# Altium PCB Monitait_V2.PcbDoc (part 2 of 2)
Units mm, origin at the board's own origin, x right, y up, seen from the top; angles counter-clockwise.
Board outline 155 x 115 mm, 2 copper layers (Top Layer, Bottom Layer); 104 components, 93 nets, 350 pads, 300 vias.
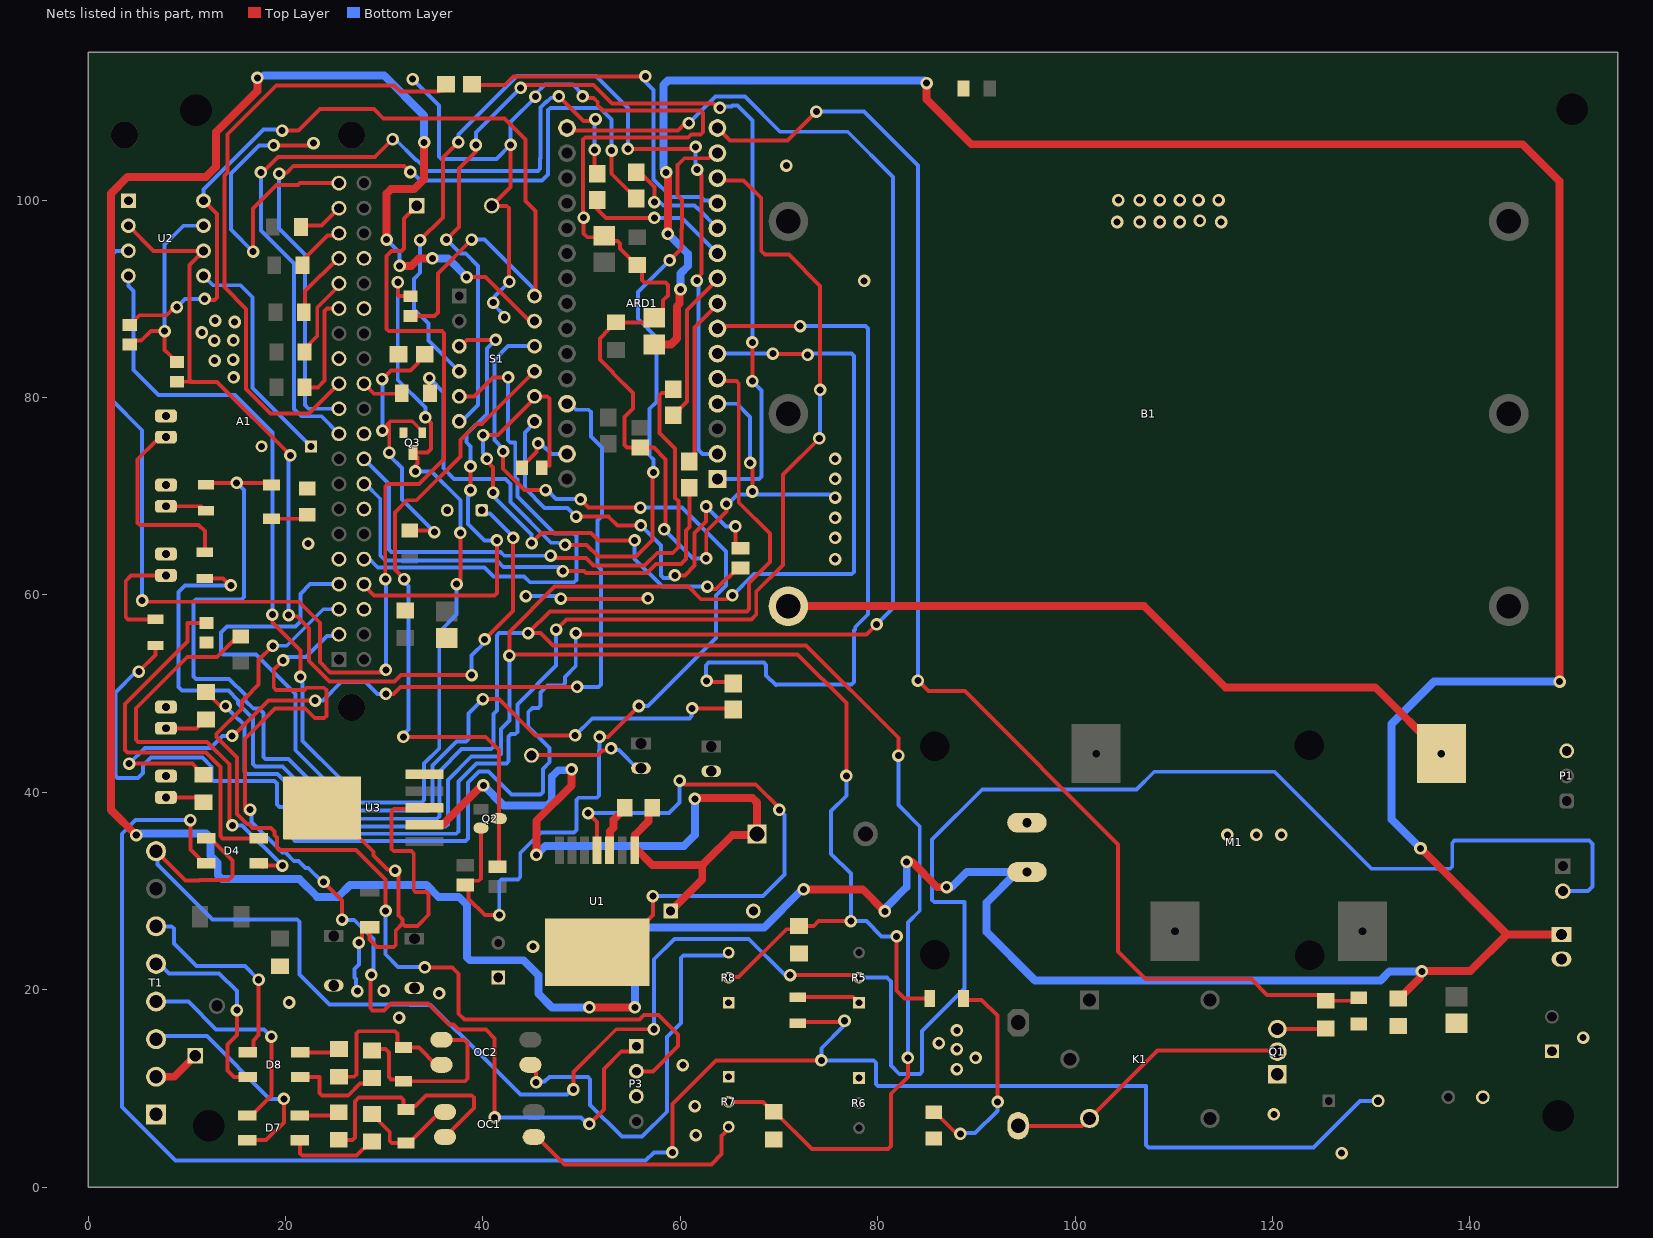
[diagram p2: the nets of this part, all layers, seen from the top]

## Via types
v1: diameter 1.27, hole 0.711, Top Layer to Bottom Layer, 300 vias

## Nets (pads, with @x,y where several pads share a name; then routed paths per layer and width w, separated by ;. In a path a pad name is that pad's centre, name@x,y a point inside that pad or via, vN(x,y) a via of type N, cw(c..) or ccw(c..) an arc to the next point about the centre after c; other vN are vias at no path point) (continued)
Adc2: D4.4 P2.2 R5.2 T1.8 | length 241.1
  Top Layer w0.4: T1.8@6.873,34.036 9.86,31.049 11.238,31.049 11.318,31.128 14.235,31.128 14.607,31.501 14.607,33.095 13.149,34.552 13.13,34.552 12.357,35.326 D4.4@11.945,35.326 ; v1(49.17,9.881) 49.17,11.655 53.503,15.988 v1(57.308,15.988) ; v1(71.12,21.463) 77.471,21.463 77.572,21.362 77.952,21.362 R5.2@78.105,21.209
  Bottom Layer w0.4: T1.8@6.873,34.036 7.006,33.903 7.006,32.689 12.601,27.094 21.178,27.094 21.412,26.86 21.412,21.514 24.434,18.492 32.585,18.492 32.613,18.464 34.695,18.464 40.298,12.862 43.783,9.377 48.501,9.377 49.005,9.881 v1(49.17,9.881) ; v1(57.308,15.988) 57.308,23.038 59.416,25.146 66.929,25.146 70.612,21.463 v1(71.12,21.463) ; R5.2@78.105,21.209 80.93,21.209 81.329,20.81 81.329,12.304 82.185,11.448 84.268,11.448 84.502,11.682 84.502,15.831 88.808,20.136 88.808,28.87 85.735,28.87 85.5,29.104 85.5,35.2 90.594,40.294 106.234,40.294 108.022,42.082 120.216,42.082 130.049,32.249 137.986,32.249 138.221,32.484 138.221,34.882 138.455,35.116 152.103,35.116 152.449,34.771 152.449,30.45 151.978,29.98 P2.2@149.425,29.98
AR_5V: ARD1.27 R12.1 | length 91.4
  Top Layer w0.4: v1(4.138,42.895) 10.575,42.895 10.984,42.486 10.984,42.386 11.584,41.786 R12.1@11.684,41.786 ; v1(14.587,45.716) 14.679,45.716 18.263,49.299 v1(22.982,49.299) ; v1(30.17,49.964) 30.914,49.964 31.623,50.673 v1(49.53,50.673)
  Bottom Layer w0.4: v1(4.138,42.895) 5.745,44.502 12.371,44.502 13.585,45.716 v1(14.587,45.716) ; v1(22.982,49.299) 23.777,49.299 25.635,51.158 28.105,51.158 29.3,49.964 v1(30.17,49.964) ; ARD1.27@48.514,79.375 48.837,79.375 49.448,78.764 50.693,78.764 50.927,78.53 50.927,76.073 52.043,74.957 52.043,68.002 51.594,67.552 51.594,62.937 51.943,62.587 51.943,50.907 51.709,50.673 v1(49.53,50.673)
D2: ARD1.5 C8.2 D9.C R7.2 R15.1 | length 247.4
  Top Layer w0.4: R15.1@11.938,71.25 11.941,71.247 12.042,71.348 v1(15.041,71.348) 18.345,71.348 D9.C@18.563,71.13 ; ARD1.5@64.008,81.661 65.684,81.661 65.919,81.427 65.919,69.369 69.074,66.215 69.074,63.328 66.975,61.23 66.975,58.563 66.741,58.328 46.771,58.328 v1(44.577,56.134) 45.847,56.134 47.117,54.864 72.752,54.864 82.088,45.528 v1(82.088,43.721) ; R7.2@64.897,8.636 68.356,8.636 69.369,7.623 C8.2@69.469,7.623 69.569,7.623 73.355,3.837 81.053,3.837 81.353,4.137 81.353,9.454 83.058,11.159 v1(83.058,13.081)
  Bottom Layer w0.4: v1(15.041,71.348) 15.776,70.613 15.776,59.787 15.542,59.553 10.907,59.553 10.673,59.319 10.673,51.713 10.907,51.479 14.282,51.479 15.92,49.841 15.92,49.573 15.943,49.549 15.943,49.269 16.745,48.468 17.293,48.468 17.738,48.023 17.738,43.593 17.972,43.359 20.295,43.359 23.73,39.923 23.73,37.554 23.964,37.32 35.359,37.32 35.593,37.554 35.593,42.12 37.837,44.365 40.82,44.365 41.054,44.599 41.054,47.948 41.398,48.292 41.398,55.9 41.633,56.134 v1(44.577,56.134) ; ARD1.5@63.754,81.915 ARD1.5@64.008,81.661 ; v1(82.088,43.721) 82.088,38.693 84.259,36.523 84.259,27.998 83.058,26.797 v1(83.058,13.081)
D3: ARD1.6 C9.2 D10.C R8.2 R11.2 | length 243.5
  Top Layer w0.4: R11.2@11.898,61.579 R11.2@11.811,61.666 13.639,61.666 14.342,60.963 v1(14.455,60.963) ; R8.2@64.897,21.209 64.954,21.266 65.895,21.266 70.752,26.124 71.679,26.124 C9.2@72.018,26.463 73.516,26.463 73.993,26.94 v1(77.272,26.94) ; v1(65.278,59.944) 65.043,59.944 64.662,59.563 62.103,59.563 60.833,60.833 47.244,60.833 42.672,56.261 v1(42.672,53.848) 42.799,53.975 71.882,53.975 76.823,49.034 v1(76.823,41.657) ; v1(69.379,84.459) 69.445,84.393 72.833,84.393 v1(72.898,84.328) ; v1@82.061,25.4 v1(81.915,25.4) 81.915,19.895 82.705,19.105 D10.C@85.274,19.105
  Bottom Layer w0.4: v1(14.455,60.963) 9.796,60.963 9.139,60.305 9.139,50.683 9.517,50.305 14.195,50.305 15.185,49.315 15.185,48.995 16.704,47.475 16.704,42.856 16.939,42.621 19.664,42.621 22.559,39.726 22.559,36.745 22.793,36.511 36.2,36.511 36.434,36.745 36.434,41.263 38.81,43.639 41.595,43.639 41.83,43.873 41.83,46.397 42.709,47.276 42.709,50.636 42.672,50.673 v1(42.672,53.848) ; ARD1.6@63.754,84.455 63.756,84.457 69.378,84.457 v1(69.379,84.459) ; v1(65.278,59.944) 67.437,62.103 77.363,62.103 77.597,62.337 77.597,84.221 77.363,84.455 73.152,84.455 73.025,84.328 v1(72.898,84.328) ; v1(76.823,41.657) 76.823,39.647 75.28,38.104 75.28,33.764 77.272,31.772 v1(77.272,26.94) 78.851,26.94 80.391,25.4 v1(81.915,25.4)
D4_AR: ARD1.7 R36.2 | length 73.1
  Top Layer w0.4: v1(62.67,51.295) 62.803,51.162 65.23,51.162 R36.2@65.363,51.03 ; ARD1.7@63.754,86.995 64.008,87.249 v1(72.136,87.249)
  Bottom Layer w0.4: v1(62.67,51.295) 62.601,51.364 62.601,52.866 62.873,53.138 68.461,53.138 68.695,52.903 68.695,51.851 69.675,50.871 69.675,50.879 69.723,50.927 77.363,50.927 77.597,51.161 77.597,56.388 77.724,56.515 77.724,56.769 78.994,58.039 78.994,87.015 78.76,87.249 v1(72.136,87.249)
D4_RASp: A1.7 R36.1 | length 92.6
  Top Layer w0.4: v1(39.981,49.449) 41.614,49.449 45.298,45.764 v1(49.341,45.764) ; v1(61.198,48.504) 65.237,48.504 R36.1@65.363,48.377
  Bottom Layer w0.4: A1.7@25.4,61.087 22.479,61.087 21.488,60.096 21.488,57.301 20.997,56.809 14.062,56.809 13.433,56.181 13.433,54.193 13.668,53.959 16.997,53.959 20.993,49.963 20.993,44.26 24.119,41.134 24.119,41.088 24.621,40.586 24.621,38.395 24.855,38.161 34.438,38.161 34.867,38.59 34.867,42.715 37.309,45.157 38.303,45.157 38.537,45.391 38.537,48.005 v1(39.981,49.449) ; v1(49.341,45.764) 51.075,47.498 60.909,47.498 61.144,47.732 61.144,48.449 v1(61.198,48.504)
D5_AR: ARD1.8 R37.2 | length 17.4
  Top Layer w0.4: R37.2@60.906,73.51 61.157,73.51 61.435,73.788 61.435,87.089 63.754,89.408 ARD1.8@63.754,89.535
D5_RASp: A1.16 R37.1 | length 47.7
  Top Layer w0.4: v1(48.092,62.42) 50.229,62.42 50.419,62.23 56.642,62.23 57.531,63.119 60.071,63.119 60.579,63.627 60.579,66.548 60.906,66.875 R37.1@60.906,70.858
  Bottom Layer w0.4: A1.16@27.94,71.247 28.087,71.247 29.591,69.743 29.591,64.008 30.131,63.468 41.402,63.468 42.055,62.815 47.698,62.815 v1(48.092,62.42)
D6_AR: ARD1.9 R39.2 | length 15.9
  Top Layer w0.4: R39.2@59.264,78.197 59.615,78.197 59.893,78.475 59.893,78.826 60.668,79.6 60.668,88.878 63.754,91.964 ARD1.9@63.754,92.075
D6_RASp: A1.18 R39.1 | length 58.8
  Top Layer w0.4: v1(46.851,63.972) 47.018,63.805 47.46,63.805 47.521,63.745 50.428,63.745 51.181,62.992 56.388,62.992 57.658,64.262 59.23,64.262 59.797,64.829 59.797,69.498 59.464,69.83 59.464,74.848 57.891,76.422 57.891,80.236 58.125,80.471 58.535,80.471 58.913,80.849 R39.1@59.264,80.849
  Bottom Layer w0.4: A1.18@27.94,73.787 30.48,71.247 30.48,64.6 30.714,64.365 41.763,64.365 42.156,63.972 v1(46.851,63.972)
D7_AR: ARD1.10 R40.2 | length 15
  Top Layer w0.4: R40.2@51.569,100.021 51.569,99.089 52.446,98.211 v1(57.366,98.211)
  Bottom Layer w0.4: v1(57.366,98.211) 60.158,98.211 ARD1.10@63.754,94.615
D7_RASp: A1.19 R40.1 | length 81.1
  Top Layer w0.4: v1(17.484,102.819) 17.673,102.819 19.222,104.368 29.035,104.368 v1(30.844,106.176) ; v1(47.685,110.524) 50.177,108.031 51.18,108.031 51.36,108.211 v1(51.401,108.211) ; v1(51.314,105.101) 51.314,102.928 R40.1@51.569,102.673
  Bottom Layer w0.4: v1(17.484,102.819) 17.484,96.943 20.862,93.565 20.862,78.833 21.59,78.105 23.622,78.105 A1.19@25.4,76.327 ; v1(30.844,106.176) 31.111,106.176 33.226,104.061 33.288,104.061 34.387,102.962 45.564,102.962 45.799,103.196 45.799,104.247 45.847,104.295 45.847,109.39 46.4,109.943 46.446,109.943 46.883,110.379 47.541,110.379 v1(47.685,110.524) ; v1(51.314,105.101) 51.314,108.124 v1(51.401,108.211)
D8_AR: ARD1.11 R41.2 | length 11.5
  Top Layer w0.4: R41.2@55.544,102.826 55.895,102.826 57.366,101.355 v1(57.366,99.794)
  Bottom Layer w0.4: v1(57.366,99.794) 57.945,99.794 58.297,99.441 61.448,99.441 61.702,99.187 61.722,99.187 ARD1.11@63.754,97.155
D8_RASp: A1.21 R41.1 | length 79.4
  Top Layer w0.4: v1(19.343,102.689) 19.482,102.828 20.151,102.828 20.772,103.449 31.982,103.449 32.573,102.858 v1(32.651,102.858) ; v1(53.041,105.035) 53.041,102.677 54.915,100.803 54.915,100.452 55.193,100.174 R41.1@55.544,100.174
  Bottom Layer w0.4: v1(19.343,102.689) 19.343,97.116 21.971,94.488 21.971,79.228 22.332,78.867 A1.21@25.4,78.867 ; v1(32.651,102.858) 32.812,102.858 33.689,101.981 45.974,101.981 46.609,102.616 46.609,109.125 46.843,109.359 51.858,109.359 53.041,108.177 v1(53.041,105.035)
D9_AR: ARD1.12 R42.2 | length 36.2
  Top Layer w0.4: R42.2@38.898,111.695 42.226,111.695 43.08,112.549 v1(56.462,112.549)
  Bottom Layer w0.4: v1(56.462,112.549) 56.462,111.982 57.277,111.166 57.277,102.108 58.929,100.456 59.055,100.33 62.103,100.33 62.47,99.963 63.486,99.963 ARD1.12@63.754,99.695
D9_RASp: A1.23 R42.1 | length 63.5
  Top Layer w0.4: A1.23@25.4,81.407 22.383,78.39 18.476,78.39 15.995,80.871 15.995,88.992 13.8,91.187 13.8,102.51 14.097,102.806 14.097,106.68 19.05,111.633 30.988,111.633 31.623,110.998 35.506,110.998 35.617,111.109 35.968,111.109 36.246,111.387 R42.1@36.246,111.738
D10: ARD1.13 R14.2 | length 138
  Top Layer w0.4: R14.2@11.938,50.168 13.374,48.732 v1(13.911,48.732) ; v1(47.407,56.489) 48.449,57.531 67.223,57.531 67.691,57.999 67.691,60.325 70.419,63.053 70.419,72.209 v1(74.075,75.866) ; ARD1.13@63.754,102.235 64.008,101.981 66.421,101.981 68.199,100.203 68.199,94.869 68.58,94.488 70.993,94.488 74.168,91.313 v1(74.168,80.772)
  Bottom Layer w0.4: v1(13.911,48.732) 13.911,48.681 14.459,48.133 15.202,47.39 15.265,47.39 15.841,46.814 15.841,42.094 16.075,41.86 19.188,41.86 21.552,39.496 21.552,36.003 21.787,35.769 24.284,35.769 24.314,35.798 37.289,35.798 37.523,36.033 37.523,41.081 39.355,42.913 42.371,42.913 42.605,43.147 42.605,45.658 42.839,45.892 43.25,45.892 43.484,46.127 43.484,48.914 47.407,52.837 v1(47.407,56.489) ; v1(74.075,75.866) 74.168,75.959 v1(74.168,80.772)
D11: ARD1.14 R34.1 | length 84
  Top Layer w0.4: v1(34.562,81.963) 34.562,81.031 34.879,80.714 R34.1@34.618,80.452 ; v1(48.325,65.071) 50.499,65.071 51.689,63.881 55.499,63.881 57.187,65.569 57.187,72.326 v1(57.273,72.412) ; v1(58.92,93.896) 60.109,95.086 60.109,97.065 60.148,97.104 60.148,100.04 59.734,100.454 59.734,103.549 60.436,104.251 62.852,104.251 63.375,104.775 ARD1.14@63.754,104.775
  Bottom Layer w0.4: v1(34.562,81.963) 36,80.525 36,72.839 37.084,71.755 42.291,71.755 42.799,71.247 42.799,69.977 42.786,69.964 42.786,69.415 46.914,65.287 47.656,65.287 47.705,65.238 48.158,65.238 v1(48.325,65.071) ; v1(57.273,72.412) 57.273,73.735 56.852,74.157 56.852,78.823 57.587,79.558 57.587,86.102 55.702,87.986 55.702,90.679 v1(58.92,93.896)
D12: ARD1.16 R13.2 | length 209.4
  Top Layer w0.4: v1(5.119,52.238) 6.812,53.931 R13.2@6.812,54.874 ; ARD1.16@48.514,107.315 48.759,107.07 59.751,107.07 60.5,107.818 v1(60.874,107.818) ; v1(49.403,56.134) 49.53,56.007 78.867,56.007 v1(79.883,57.023)
  Bottom Layer w0.4: v1(5.119,52.238) 4.867,52.238 2.745,50.116 2.745,41.7 2.979,41.466 5.056,41.466 5.541,41.951 5.541,42.716 6.358,43.533 11.563,43.533 12.507,42.589 12.507,41.359 12.741,41.125 18.893,41.125 19.127,40.89 19.127,38.758 19.361,38.524 19.952,38.524 20.727,37.749 20.727,35.294 20.962,35.059 23.617,35.059 23.625,35.067 38.233,35.067 38.467,35.302 38.467,40.988 39.584,42.104 40.572,42.104 42.897,39.779 45.835,39.779 46.069,40.013 46.069,42.372 46.741,43.043 46.741,44.502 45.189,46.053 45.189,46.076 44.588,46.678 44.588,48.137 45.004,48.554 45.603,48.554 45.838,48.788 45.838,50.105 46.555,50.823 48.081,50.823 48.315,51.057 48.315,51.702 49.403,52.79 v1(49.403,56.134) ; v1(60.874,107.818) 63.543,110.488 66.55,110.488 70.104,106.934 76.962,106.934 81.534,102.362 81.534,58.674 v1(79.883,57.023)
D13: ARD1.15 R19.1 R44.2 | length 141.1
  Top Layer w0.4: ARD1.15@63.754,107.315 65.024,106.045 70.866,106.045 v1(73.787,108.966) ; v1(84.074,51.308) 85.13,50.252 88.839,50.252 104.363,34.728 104.363,23.872 107.157,21.078 117.857,21.078 119.459,19.476 124.81,19.476 R19.1@125.41,18.876 128.453,18.876 R44.2@128.757,19.18
  Bottom Layer w0.4: v1(73.787,108.966) 78.613,108.966 84.074,103.505 v1(84.074,51.308)
GND: A1.6 A1.9 A1.14 A1.20 A1.25 A1.30 A1.34 A1.39 ARD1.4 ARD1.29 B1.B1- C1.1 C2.N C3.N C4.1 C6.N C7.N C8.1 C9.1 C10.1 C11.1 C12.N C13.1 C14.1 C15.1 C16.1 C17.1 C18.1 C19.2 C20.2 C21.2 C22.1 count_a_ok.2 count_b_ng.2 D3.1 D13.2 link.2 LS1.2 M1.B- M1.P- P1.3 P3.3 pad.13 power.2 Q1.1 Q3.2 R6.1 R7.1 R8.1 R9.1 R16.1 R18.1 R20.2 R25.2 R29.1 R43.1 R44.1 T1.1 U1.4 U1.8 U2.1 U3.3 U3.5 U3.6 warning.2 | length 412.9
  Top Layer w0.4: v1(16.714,94.777) 16.714,99.162 19.08,101.528 21.24,101.528 21.439,101.727 A1.39@25.4,101.727 ; v1(18.779,105.563) 22.612,105.563 v1(22.827,105.778) ; U3.6@23.707,38.419 24.457,38.419 28.902,33.974 28.902,33.616 30.346,32.171 30.993,32.171 v1(31.096,32.069) 31.096,31.834 31.461,31.468 31.461,27.517 31.863,27.116 31.863,26.689 ; v1(27.424,24.762) 27.486,24.762 27.72,24.997 27.72,25.91 28.145,26.335 D13.2@28.52,26.335 28.52,25.066 29.278,24.308 30.926,24.308 31.16,24.542 31.16,25.987 31.863,26.689 ; U3.3@34.057,38.419 33.94,38.302 30.96,38.302 30.726,38.067 30.726,34.262 30.96,34.028 32.748,34.028 32.982,33.794 32.982,30.074 33.143,29.913 34.26,29.913 34.494,29.679 34.494,27.588 33.362,26.455 32.097,26.455 31.863,26.689 ; v1(42.667,91.735) 42.667,91.883 42.625,91.925 42.625,99.199 42.39,99.434 40.901,99.434 LS1.2@40.894,99.441 42.8,101.347 v1(42.8,105.617) ; R29.1@43.958,72.898 43.958,73.023 45.418,74.483 45.418,75.19 v1(45.584,75.357) ; pad.13@44.911,43.738 44.934,43.761 51.643,43.761 52.12,44.238 52.783,44.238 v1(52.995,44.45) ; v1(47.887,59.636) 47.949,59.574 56.625,59.574 v1(56.711,59.66) ; v1(50.102,110.528) 50.269,110.361 51.197,110.361 51.63,109.928 51.63,109.587 52.146,109.072 62.069,109.072 62.303,108.838 62.303,106.896 62.069,106.662 61.098,106.662 60.801,106.365 50.362,106.365 50.128,106.131 50.128,98.316 v1(50.204,98.24) 50.204,96.607 50.568,96.242 52.457,96.242 52.852,95.847 53.638,95.847 53.872,95.613 53.872,95.108 54.377,94.603 54.377,94.591 C15.1@55.571,93.396 ; v1(50.657,37.895) 51.562,36.99 U1.4@51.562,34.13 ; U1.8@51.562,23.78 53.432,23.78 57.214,27.562 v1(57.214,29.487) ; C15.1@55.621,93.446 56.108,92.96 56.108,91.896 56.342,91.662 58.498,91.662 58.732,91.428 58.732,90.332 58.259,89.859 58.259,88.882 57.459,88.082 C14.1@57.359,88.082 56.903,87.626 C13.1@53.484,87.626 53.384,87.626 52.784,87.026 52.784,86.926 51.853,85.995 51.853,83.878 53.183,82.548 53.183,82.464 55.196,80.451 55.196,78.881 54.357,78.043 54.357,75.18 54.592,74.946 R25.2@55.945,74.946 57.311,74.946 58.515,73.742 58.515,66.782 v1(58.366,66.633) ; v1(59.926,41.18) 60.012,41.18 60.407,40.785 67.641,40.785 70.027,38.399 v1(70.027,38.226) ; v1(62.623,63.702) 62.623,66.434 64.658,68.469 v1(64.658,69.221) ; v1(67.069,73.373) 67.069,72.987 67.307,72.749 v1(67.307,70.481)
  Top Layer w0.8: B1.B1-@70.942,58.859 107.003,58.859 115.224,50.638 130.412,50.638 M1.B-@137.125,43.925
  Bottom Layer w0.4: v1(16.714,94.777) 14.458,97.033 14.458,102.716 17.305,105.563 v1(18.779,105.563) ; v1(27.27,19.857) 27.122,20.004 27.122,21.092 26.978,21.236 26.978,22.087 27.424,22.533 v1(27.424,24.762) ; v1(32.869,112.268) 35.561,109.576 35.561,104.413 35.795,104.178 41.362,104.178 v1(42.8,105.617) 42.8,107.93 45.298,110.428 45.298,110.738 46.267,111.707 49.102,111.707 50.102,110.706 v1(50.102,110.528) ; LS1.2@40.844,99.491 LS1.2@40.894,99.441 ; v1(42.177,88.137) 42.177,88.316 41.04,89.452 v1(41.04,89.631) 41.207,89.797 41.207,90.275 v1(42.667,91.735) ; v1(44.341,59.882) 47.641,59.882 v1(47.887,59.636) ; v1(45.584,75.357) 45.82,75.357 46.3,74.876 46.353,74.876 46.934,74.295 ARD1.29@48.514,74.295 ; v1(50.657,37.895) 58.857,37.895 59.926,38.965 v1(59.926,41.18) ; v1(52.995,44.45) 53.162,44.284 53.761,44.284 55.607,42.438 C6.N@56.007,42.438 ; v1(57.214,29.487) 68.359,29.487 70.56,31.689 70.56,37.693 v1(70.027,38.226) ; v1(58.366,66.633) 61.296,63.702 v1(62.623,63.702) ; ARD1.4@63.754,79.375 65.724,79.375 67.069,78.029 v1(67.069,73.373) ; v1(64.658,69.221) 64.814,69.221 65.776,70.183 75.124,70.183 75.457,69.85 v1(75.692,69.85)
  other v1: 127,3.429 61.574,5.257 120.142,7.366 61.465,8.201 88.011,11.938 60.252,12.362 89.916,13.081 88.011,13.97 86.207,14.575 151.49,15.137 88.011,15.875 31.51,17.17 20.36,18.699 35.557,19.618 29.929,19.898 45.069,24.365 115.443,35.687 118.364,35.687 120.904,35.687 75.692,63.627 22.279,65.202 75.692,65.786 75.692,67.818 75.692,71.755 75.692,73.787 14.734,82.043 12.797,83.739 14.69,83.849 12.775,85.764 14.712,85.786 11.505,86.593 14.822,87.657 12.863,87.79 78.613,91.821 104.267,97.79 106.553,97.79 108.585,97.79 110.617,97.79 114.808,97.79 112.649,97.917 104.394,100 106.553,100 108.585,100 110.617,100 112.522,100 114.554,100 70.739,103.505 45.298,110.502
LM555_3: LS1.1 U2.3 | length 127.2
  Top Layer w0.4: v1(5.461,59.436) 5.588,59.309 21.336,59.309 23.467,57.178 23.467,53.185 24.498,52.154 29.501,52.154 29.581,52.234 30.004,52.234 v1(30.17,52.401) ; v1(30.099,61.595) 30.099,71.013 30.333,71.247 33.528,71.247 36.068,73.787 36.068,86.498 35.834,86.733 30.46,86.733 30.226,86.967 30.226,94.361 30.734,94.869 31.751,94.869 31.985,95.103 31.985,98.152 LS1.1@33.274,99.441
  Bottom Layer w0.4: U2.3@4.064,94.869 2.794,94.869 2.306,94.381 2.306,79.844 5.461,76.688 v1(5.461,59.436) ; v1(30.099,61.595) 30.17,61.524 v1(30.17,52.401)
LM555_4: Q3.3 R10.2 U2.4 | length 137.2
  Top Layer w0.4: 18.666,57.184 21.499,54.351 v1(21.499,51.706) ; v1(31.364,91.684) 31.364,90.391 31.483,90.272 R10.2@32.661,90.272 ; v1(33.147,72.517) 33.147,73.104 33.362,73.318 33.362,73.919 32.893,74.388 Q3.3@32.893,74.438 34.376,74.438 34.743,74.805 34.743,77.422 v1(34.172,77.993) ; v1(37.338,61.087) 37.719,61.468 v1(37.719,66.294)
  Bottom Layer w0.4: U2.4@4.064,92.329 4.064,91.313 4.572,90.805 4.572,82.804 7.112,80.264 14.859,80.264 18.666,76.457 v1(18.666,58.003) ; v1(21.499,51.706) 21.665,51.539 21.665,51.09 21.719,51.036 21.719,45.204 25.438,41.486 25.438,39.407 25.875,38.969 33.808,38.969 34.042,39.204 34.042,42.896 35.569,44.423 35.569,56.227 37.338,57.996 v1(37.338,61.087) ; v1(31.364,91.684) 31.364,81.793 34.172,78.985 v1(34.172,77.993) ; v1(33.147,72.517) 34.798,72.517 37.719,69.596 v1(37.719,66.294)
LM555_5: C21.1 U2.5 | length 23.4
  Bottom Layer w0.4: U2.5@11.684,92.329 12.635,91.378 15.434,91.378 16.649,90.163 16.649,80.974 C21.1@22.566,75.057
LM555_6_2: C20.1 R23.2 U2.2 U2.6 | length 97.1
  Top Layer w0.4: U2.2@4.064,97.409 6.604,94.869 U2.6@11.684,94.869 10.257,93.442 10.257,81.813 10.491,81.578 ; R23.2@8.987,81.601 10.312,81.601 10.335,81.578 10.491,81.578 ; v1(20.301,57.954) 20.415,57.841 21.135,57.841 22.37,56.605 22.37,53.284 24.445,51.209 31.016,51.209 31.689,51.882 v1(38.858,51.882) ; v1(20.487,74.152) 13.06,81.578 10.491,81.578 ; v1(40.168,55.492) 43.053,58.377 v1(43.053,65.786)
  Bottom Layer w0.4: v1(20.301,57.954) 20.301,73.966 v1(20.487,74.152) ; v1(38.858,51.882) 38.858,53.844 40.168,55.154 v1(40.168,55.492) ; C20.1@39.878,68.58 40.203,68.255 40.711,68.255 43.053,65.913 v1(43.053,65.786)
LM555_7: R21.2 R23.1 U2.7 | length 21.3
  Top Layer w0.4: R21.2@4.191,85.36 4.591,85.76 5.369,85.76 6.35,86.741 v1(7.747,86.741) 7.747,84.841 8.147,84.441 8.462,84.126 8.462,84.001 8.862,83.601 R23.1@8.987,83.601
  Bottom Layer w0.4: v1(7.747,86.741) 7.747,95.504 9.652,97.409 U2.7@11.684,97.409
LM2596_OUT: C5.1 D3.2 L1.1 U1.1 U3.2 | length 86.1
  Top Layer w0.8: U3.2@34.057,36.719 34.132,36.794 35.974,36.794 39.793,40.612 39.958,40.612 v1(40.048,40.702) ; v1(45.411,33.654) 45.411,37.107 48.987,40.682 v1(48.987,42.326) ; C5.1@57.156,38.437 56.756,38.037 56.756,37.039 55.417,35.7 55.417,34.462 55.372,34.417 57.15,32.639 62.25,32.639 62.611,33 ; D3.2@59.019,27.965 62.222,31.168 62.222,32.639 ; v1(61.47,39.336) 61.56,39.426 62.238,39.426 62.245,39.433 67.294,39.433 67.763,38.965 L1.1@67.763,35.779 67.671,35.687 65.298,35.687 62.611,33
  Bottom Layer w0.8: v1@40.12,40.774 v1(40.048,40.702) 42.082,38.668 46.504,38.668 46.972,39.136 46.972,41.585 47.623,42.236 48.897,42.236 v1(48.987,42.326) ; v1(45.411,33.654) 46.323,34.565 60.355,34.565 61.47,35.679 v1(61.47,39.336)
NetC5_2: C5.2 U1.3 | length 4.9
  Top Layer w0.8: U1.3@52.832,34.13 52.852,34.15 52.852,36.047 53.244,36.439 53.244,37.225 54.356,38.337 C5.2@54.356,38.437
Netcount_a_ok_1: count_a_ok.1 R15.2 | length 4.3
  Top Layer w0.4: count_a_ok.1@7.873,68.984 11.404,68.984 R15.2@11.938,68.45
Netcount_b_ng_1: count_b_ng.1 R11.1 | length 19.6
  Top Layer w0.4: count_b_ng.1@7.873,75.984 7.5,75.611 6.863,75.611 5.001,73.749 5.001,67.299 5.235,67.065 6.88,67.065 6.906,67.091 11.188,67.091 11.811,66.468 R11.1@11.811,64.318
NetD4_1: D4.1 R1.1 | length 43.2
  Top Layer w0.4: v1(14.607,36.651) 14.607,36.886 14.302,37.192 14.302,42.844 12.031,45.115 5.06,45.115 4.826,45.349 4.826,48.514 10.033,53.721 13.067,53.721 15.119,55.773 R1.1@15.47,55.773 ; D4.1@17.27,32.826 17.685,32.41 18.044,32.769 18.238,32.575 v1(19.675,32.575)
  Bottom Layer w0.4: v1(14.607,36.651) 15.599,36.651 v1(19.675,32.575)
NetD4_2: D4.2 L2.2 R38.1 | length 197.3
  Top Layer w0.4: v1(10.355,37.17) 10.355,34.203 11.207,33.351 11.207,33.151 11.532,32.826 D4.2@11.945,32.826 ; v1(59.197,3.503) 59.197,8.399 63.625,12.827 v1(74.295,12.827) ; R38.1@71.899,16.59 72.029,16.72 76.504,16.72 v1(76.634,16.849)
  Bottom Layer w0.4: v1(10.355,37.17) 4.781,37.17 3.409,35.798 3.409,8.098 8.84,2.667 56.481,2.667 57.317,3.503 v1(59.197,3.503) ; v1(76.634,16.849) 76.634,16.396 74.3,14.062 74.3,12.832 v1(74.295,12.827) 79.578,12.827 79.812,12.593 79.812,10.45 80.046,10.216 107.202,10.216 107.202,4.255 107.436,4.021 124.174,4.021 128.888,8.735 L2.2@130.709,8.735
NetD4_3: D4.3 R20.1 | length 38.8
  Top Layer w0.4: R20.1@11.983,57.171 11.955,57.143 10.057,57.143 10.057,55.269 3.734,48.946 3.734,44.275 3.968,44.041 11.914,44.041 13.391,42.563 13.391,35.565 13.626,35.331 17.265,35.331 D4.3@17.27,35.326
NetD5_A: D5.A OC1.2 R2.2 | length 24.4
  Top Layer w0.4: R2.2@25.392,4.783 26.782,4.783 27.017,5.017 27.017,8.676 27.413,9.073 31.699,9.073 31.933,8.838 31.933,8.133 32.197,7.869 32.55,8.222 33.152,8.222 34.223,9.293 38.862,9.293 39.097,9.058 39.097,8.016 36.703,5.621 OC1.2@36.148,5.067
NetD5_C: D5.C OC1.1 R22.2 | length 10.5
  Top Layer w0.4: R22.2@28.741,7.409 28.841,7.409 29.441,6.809 29.441,6.709 30.554,5.595 30.554,4.683 30.788,4.449 32.191,4.449 D5.C@32.199,4.457 32.509,4.457 35.659,7.607 OC1.1@36.148,7.607
NetD6_A: D6.A OC2.2 R4.2 | length 16.8
  Top Layer w0.4: R4.2@25.414,11.175 26.93,11.175 27.165,11.409 27.165,15.553 27.399,15.787 31.094,15.787 31.328,15.553 31.328,14.482 31.683,14.127 D6.A@31.937,14.127 33.497,14.127 35.246,12.378 OC2.2@35.798,12.378
NetD6_C: D6.C OC2.1 R3.2 | length 19
  Top Layer w0.4: R3.2@28.741,13.844 28.889,13.992 30.114,13.992 30.462,13.644 30.462,11.152 30.696,10.918 31.736,10.918 D6.C@31.937,10.717 38.158,10.717 38.422,10.981 38.422,14.599 38.104,14.918 OC2.1@35.798,14.918
NetD7_1: D7.1 R22.1 | length 9.3
  Top Layer w0.4: D7.1@21.455,4.746 21.455,3.406 21.69,3.172 27.204,3.172 28.641,4.609 R22.1@28.741,4.609
NetD7_3: D7.3 R2.1 | length 4.1
  Top Layer w0.4: D7.3@21.455,7.246 25.055,7.246 R2.1@25.392,7.583
NetD8_1: D8.1 R3.1 | length 9.7
  Top Layer w0.4: D8.1@21.489,11.146 23.423,11.146 23.435,11.134 23.435,9.527 23.67,9.293 26.349,9.293 27.546,10.49 28.187,10.49 R3.1@28.741,11.044
NetD8_3: D8.3 R4.1 | length 4.1
  Top Layer w0.4: D8.3@21.489,13.646 25.085,13.646 R4.1@25.414,13.975
NetD9_A: D9.A R9.2 | length 3.8
  Top Layer w0.4: D9.A@18.563,67.72 21.8,67.72 R9.2@22.202,68.122
NetD10_A: D10.A R16.2 | length 22.2
  Top Layer w0.4: R16.2@85.663,7.574 85.792,7.574 87.804,5.562 88.207,5.562 v1(88.373,5.396) ; D10.A@88.684,19.105 88.824,18.964 90.527,18.964 92.126,17.366 92.126,8.657 v1(92.143,8.639)
  Bottom Layer w0.4: v1(88.373,5.396) 88.398,5.42 88.398,5.47 89.881,5.47 92.123,7.712 92.123,8.619 v1(92.143,8.639)
NetD11_A: D11.A K1.A2 Q1.2 | length 28.4
  Top Layer w0.4: D11.A@94.234,6.205 100.72,6.205 ; K1.A2@101.469,6.954 108.358,13.843 120.373,13.843 Q1.2@120.5,13.717
NetF1_1: F1.1 T1.2 | length 4.9
  Top Layer w0.8: T1.2@6.873,11.176 8.713,11.176 F1.1@10.846,13.309
Netlink_1: link.1 R14.1 | length 4.4
  Top Layer w0.4: link.1@7.873,46.484 10.954,46.484 11.838,47.368 R14.1@11.938,47.368
NetOC1_3: OC1.3 R7.3 | length 23.7
  Top Layer w0.4: OC1.3@45.148,5.067 45.473,5.067 48.24,2.3 63.153,2.3 64.178,3.326 64.178,5.161 64.897,5.88 R7.3@64.897,6.096
NetOC2_3: OC2.3 R8.3 | length 41.8
  Top Layer w0.4: OC2.3@44.798,12.378 45.353,11.823 45.353,11.575 45.384,11.543 v1(45.384,10.593)
  Bottom Layer w0.4: v1(45.384,10.593) 45.466,10.675 46.249,10.675 46.725,11.152 50.631,11.152 50.865,10.918 50.865,8.332 54.079,5.118 56.135,5.118 58.642,7.625 58.642,15.208 60.071,16.637 60.071,23.231 60.305,23.465 64.397,23.465 64.681,23.749 R8.3@64.897,23.749
Netpower_1: power.1 R12.2 | length 4
  Top Layer w0.4: power.1@7.873,39.484 11.186,39.484 R12.2@11.684,38.986
NetQ1_3: Q1.3 R19.2 | length 4.9
  Top Layer w0.4: Q1.3@120.5,16.007 125.341,16.007 R19.2@125.41,16.076
NetQ3_1: Q3.1 R17.1 R18.2 | length 31.4
  Top Layer w0.4: v1(29.772,81.863) 30.67,82.762 32.654,82.762 33.403,83.51 33.403,83.761 34.032,84.39 R18.2@34.103,84.39 ; v1(29.802,76.647) 29.802,76.796 30.501,77.494 ; v1(30.501,74.42) 30.501,77.494 ; R17.1@32.578,66.523 34.912,66.523 v1(35.075,66.36) ; Q3.1@33.843,76.438 33.843,76.588 32.833,77.598 30.604,77.598 30.501,77.494
  Bottom Layer w0.4: v1(29.772,81.863) 29.802,81.833 v1(29.802,76.647) ; v1(30.501,74.42) 30.501,74.119 31.772,72.847 31.772,69.663 v1(35.075,66.36)
NetR5_1: R5.1 R38.2 | length 6.9
  Top Layer w0.4: R38.2@71.899,19.242 R38.2@72.25,19.242 ; R38.2@71.977,19.516 R38.2@72.25,19.242 ; R5.1@78.105,18.669 77.507,19.267 73.521,19.267 73.496,19.242 R38.2@72.25,19.242
NetR13_1: R13.1 warning.1 | length 11.1
  Top Layer w0.4: R13.1@6.812,57.526 4.032,57.526 3.798,57.76 3.798,61.43 4.352,61.984 warning.1@7.873,61.984
RASp_A0: A1.29 R24.2 | length 10.9
  Top Layer w0.4: R24.2@21.926,81.042 23.261,81.042 23.957,81.737 23.957,88.793 24.191,89.027 A1.29@25.4,89.027
RASp_A1: A1.31 R30.2 | length 8.4
  Top Layer w0.4: R30.2@21.913,84.622 21.913,84.923 23.207,86.217 23.207,89.137 25.4,91.33 A1.31@25.4,91.567
RASp_A2: A1.33 R31.2 | length 7
  Top Layer w0.4: R31.2@21.839,88.661 21.982,88.804 21.982,90.8 25.289,94.107 A1.33@25.4,94.107
RASp_A3: A1.35 R32.2 | length 5.4
  Top Layer w0.4: R32.2@21.513,93.401 21.513,93.702 24.246,96.435 25.188,96.435 A1.35@25.4,96.647
RASp_A4: A1.37 R33.2 | length 3.9
  Top Layer w0.4: R33.2@22.174,97.445 23.658,97.445 A1.37@25.4,99.187
RASp_D11: A1.24 R34.2 | length 3.8
  Top Layer w0.4: A1.24@27.94,81.407 28.96,80.387 R34.2@31.344,80.387
Rx_HV: ARD1.2 S1.4 | length 93.1
  Top Layer w0.4: v1(33.64,95.959) 35.941,98.261 35.941,104.312 v1(37.506,105.877) ; v1(54.682,105.204) 61.345,105.204 v1(61.546,105.405) ; v1(61.67,91.841) 61.67,92.077 62.14,92.546 62.14,102.544 61.705,102.979 v1(61.705,103.097)
  Bottom Layer w0.4: v1(33.64,95.959) 33.64,92.647 33.02,92.027 33.02,88.95 34.485,87.485 34.485,85.773 S1.4@37.592,82.666 ; v1(37.506,105.877) 37.506,106.675 43.428,112.597 51.441,112.597 54.682,109.356 v1(54.682,105.204) ; v1(61.546,105.405) 61.546,103.257 v1(61.705,103.097) ; v1(61.67,91.841) 61.837,91.675 61.837,91.198 61.849,91.186 61.849,74.676 62.23,74.295 ARD1.2@63.754,74.295
Rx_LV: A1.10 S1.5 | length 53.2
  Top Layer w0.4: S1.5@37.592,80.126 39.105,80.126 41.021,82.042 v1(42.545,82.042)
  Bottom Layer w0.4: A1.10@27.94,63.627 28.152,63.415 28.686,63.415 29.338,62.763 40.168,62.763 41.052,61.88 44.171,61.88 44.768,61.282 49.232,61.282 49.466,61.516 49.466,65.978 49.232,66.212 47.261,66.212 43.503,69.97 43.503,71.676 43.269,71.91 43.269,75.438 42.779,75.438 42.545,75.672 v1(42.545,82.042)
SA1: D7.2 T1.3 | length 22.5
  Top Layer w0.4: D7.2@16.13,4.746 18.033,4.746 19.82,6.533 v1(19.82,8.937)
  Bottom Layer w0.4: T1.3@6.873,14.986 7.178,15.291 12.017,15.291 18.371,8.937 v1(19.82,8.937)
SA2: D7.4 T1.4 | length 22.4
  Top Layer w0.4: D7.4@16.13,7.246 16.543,7.246 18.565,9.269 v1(18.565,15.236)
  Bottom Layer w0.4: T1.4@6.873,18.796 10.139,18.796 12.956,15.979 17.823,15.979 v1(18.565,15.236)
SB1: D8.2 T1.5 | length 20.3
  Top Layer w0.4: T1.5@6.873,22.606 T1.5@7.112,22.606 ; v1(15.057,17.929) 15.057,15.384 14.128,14.455 14.128,11.806 14.614,11.32 14.788,11.146 D8.2@16.164,11.146
  Bottom Layer w0.4: T1.5@6.873,22.606 7.247,22.606 8.2,21.653 13.25,21.653 15.057,19.845 v1(15.057,17.929)
SB2: D8.4 T1.6 | length 22.2
  Top Layer w0.4: T1.6@6.873,25.639 T1.6@6.873,26.416 ; D8.4@16.164,13.646 16.405,13.646 16.73,13.971 16.73,14.869 17.259,15.398 v1(17.259,21.003)
  Bottom Layer w0.4: T1.6@6.873,26.416 8.433,26.416 8.668,26.182 8.668,24.687 10.971,22.384 15.879,22.384 v1(17.259,21.003)
SCL: A1.5 P3.2 | length 96.9
  Top Layer w0.4: v1(18.714,54.848) 17.252,53.386 17.252,50.905 15.92,49.573 15.889,49.573 15.573,49.257 15.573,48.495 13.007,45.929 13.007,45.598 15.06,43.545 15.06,37.812 16.099,36.773 16.272,36.773 16.657,36.388 18.521,36.388 18.889,36.02 18.889,35.656 19.108,35.438 19.108,34.401 19.342,34.166 27.143,34.166 30.126,31.183 v1(30.126,27.993) ; v1(34.1,22.26) 36.889,22.26 37.083,22.065 37.536,21.613 37.536,17.559 38.137,16.958 55.858,16.958 56.332,17.432 57.78,17.432 59.764,15.447 59.764,14.281 57.211,11.728 P3.2@55.541,11.728
  Bottom Layer w0.4: v1(18.714,54.848) 20.113,54.848 23.812,58.547 A1.5@25.4,58.547 ; v1(30.126,27.993) 30.126,23.585 31.394,22.317 34.042,22.317 v1(34.1,22.26)
SDA: A1.3 P3.1 | length 105.4
  Top Layer w0.4: v1@15.871,38.126 16.079,37.918 16.393,38.232 v1(16.393,38.246) ; v1@15.871,38.246 15.871,45.422 18.922,48.474 21.988,48.474 22.95,47.512 23.901,47.512 24.135,47.747 24.135,50.357 23.901,50.592 22.107,50.592 21.894,50.378 19.029,50.378 18.795,50.612 18.795,52.496 18.859,52.496 v1(19.739,53.376) ; v1(23.849,30.916) 25.722,29.043 v1(25.722,27.105) ; v1(28.699,21.494) 28.593,21.388 28.593,18.124 28.827,17.89 29.971,17.89 30.67,18.589 34.423,18.589 36.565,16.448 37.031,16.448 37.2,16.279 37.532,15.948 40.288,15.948 41.173,15.062 v1(41.173,7.055) ; v1(50.781,6.393) 52.262,7.874 52.262,11.966 54.014,13.718 54.991,13.718 P3.1@55.541,14.268
  Bottom Layer w0.4: v1(16.393,38.246) 16.548,38.09 16.548,37.011 19.675,33.884 19.992,33.884 20.827,33.05 21.302,33.05 22.007,32.344 22.295,32.344 23.723,30.916 v1(23.849,30.916) ; v1@19.973,53.694 22.07,53.694 23.961,55.585 24.195,55.819 25.212,55.819 A1.3@25.4,56.007 ; v1(25.722,27.105) 25.753,27.074 26.957,27.074 28.911,25.12 28.911,21.706 v1(28.699,21.494) ; v1(41.173,7.055) 49.923,7.055 50.547,6.432 50.742,6.432 v1(50.781,6.393)
SW7: R28.2 S1.7 | length 43.2
  Top Layer w0.4: v1(49.441,67.925) 52.725,67.925 53.609,67.041 v1(56,67.041) ; v1(59.436,61.976) 60.452,61.976 61.446,62.97 61.446,66.272 62.611,67.437 v1(62.611,68.961) ; v1(65.585,66.949) 65.585,65.184 66.035,64.734 R28.2@66.095,64.734
  Bottom Layer w0.4: S1.7@45.212,77.586 45.212,77.454 44.236,76.478 44.236,70.826 46.249,68.813 48.553,68.813 v1(49.441,67.925) ; v1(56,67.041) 58.039,65.002 58.039,61.956 58.273,61.722 58.894,61.722 59.148,61.976 v1(59.436,61.976) ; v1(62.611,68.961) 64.623,66.949 v1(65.585,66.949)
SW8: R28.1 R29.2 S1.8 | length 55.2
  Top Layer w0.4: v1(40.005,76.2) 41.529,76.2 45.212,79.883 S1.8@45.212,80.126 46.502,80.126 46.736,79.891 46.736,73.132 46.192,73.132 R29.2@45.958,72.898 ; v1(40.386,73.787) 40.386,73.552 41.021,72.917 v1(41.021,70.358) ; v1(44.928,65.238) 45.943,66.253 50.968,66.253 51.698,65.523 v1(55.361,65.523) ; v1(62.738,60.833) 62.738,60.813 62.972,60.579 63.627,60.579 64.797,61.749 64.861,61.749 65.845,62.734 R28.1@66.095,62.734
  Bottom Layer w0.4: v1(40.005,76.2) 40.005,74.403 40.386,74.022 v1(40.386,73.787) ; v1(41.021,70.358) 41.021,70.045 44.928,66.138 v1(44.928,65.238) ; v1(55.361,65.523) 55.361,63.644 58.172,60.833 v1(62.738,60.833)
SW9: Q2.3 R27.1 S1.9 | length 66.8
  Top Layer w0.4: v1(31.923,45.616) 40.278,45.616 41.625,44.269 Q2.3@41.625,37.333 41.625,32.934 R27.1@41.225,32.534 ; v1(32.004,61.595) 32.004,61.635 31.066,62.573 31.066,68.37 32.292,69.596 33.274,69.596 37.725,74.047 37.725,75.698 39.37,77.343 39.889,77.343 S1.9@45.212,82.666
  Bottom Layer w0.4: v1(31.923,45.616) 31.923,45.844 32.462,46.383 32.462,60.902 32.004,61.36 v1(32.004,61.595)
SW10: Q2.2 R26.1 S1.10 | length 105.6
  Top Layer w0.4: Q2.2@39.805,36.383 39.805,31.268 39.571,31.034 38.887,31.034 38.437,30.584 38.53,30.49 38.53,29.197 40.183,27.544 v1(41.651,27.544) ; v1(42.037,74.549) 42.037,72.787 44.212,70.612 v1(46.355,70.612) ; v1(49.891,69.677) 50.714,68.854 v1(55.959,68.854) ; v1(51.819,45.613) 52.667,45.613 v1(55.798,48.744)
  Bottom Layer w0.4: v1(41.651,27.544) 41.648,27.548 41.648,30.962 41.866,31.18 43.54,31.18 43.774,31.414 43.774,33.844 45.867,35.937 49.222,35.937 49.456,36.172 49.456,39.21 49.69,39.444 51.532,39.444 51.767,39.679 51.767,44.22 51.819,44.272 v1(51.819,45.613) ; v1(42.037,74.549) 42.037,74.803 41.148,75.692 41.148,83.82 42.534,85.206 S1.10@45.212,85.206 ; v1(46.355,70.612) 46.516,70.612 47.391,69.738 49.83,69.738 v1(49.891,69.677) ; v1(55.798,48.744) 56.726,48.744 63.627,55.645 63.627,59.944 64.643,60.96 64.643,64.389 60.178,68.854 v1(55.959,68.854)
SW11: C10.2 C12.P C14.2 M1.P+ S1.11 | length 556.5
  Top Layer w0.4: v1(38.354,92.202) 40.258,92.202 44.504,87.956 45.002,87.956 S1.11@45.212,87.746
  Top Layer w0.8: v1(4.864,35.648) 2.306,38.207 2.306,100.68 3.987,102.362 11.938,102.362 12.954,103.378 12.954,106.892 17.145,111.083 v1(17.145,112.395) ; v1(30.226,96.012) 30.226,100.662 30.695,101.13 33.032,101.13 34.033,102.131 v1(34.033,105.851) ; v1(31.552,93.34) 32.728,93.34 33.495,94.108 v1(34.861,94.108) ; v1(50.779,18.199) v1(55.402,18.199) ; C14.2@57.359,85.382 59.056,85.382 59.65,85.976 59.65,89.244 59.926,89.52 59.926,90.879 v1(60.016,90.969) ; v1(58.744,96.588) v1@58.744,102.299 ; v1(72.488,30.168) 78.475,30.168 v1(80.721,27.922) ; v1(82.941,32.949) 83.469,32.949 86.039,30.378 v1(86.984,30.378) ; v1(84.956,111.867) 84.956,110.203 89.486,105.672 145.348,105.672 149.093,101.927 v1(149.093,51.223) ; M1.P+@94.25,31.925 M1.P+@95.123,31.925 ; C10.2@132.754,19.11 132.854,19.11 134.981,21.237 ; v1(135.005,34.327) 135.037,34.327 143.768,25.596 ; v1(135.147,21.855) 135.201,21.909 140.081,21.909 143.768,25.596 ; C12.P@149.297,25.596 143.768,25.596
  Bottom Layer w0.4: v1(30.226,96.012) 31.552,94.686 v1(31.552,93.34)
  Bottom Layer w0.8: v1(4.864,35.648) 4.954,35.738 5.286,35.738 5.364,35.816 11.938,35.816 12.406,35.347 12.406,33.57 13.123,32.854 13.123,31.637 13.561,31.198 21.399,31.198 23.194,29.403 25.321,29.403 26.533,30.616 34.268,30.616 35.48,29.403 37.536,29.403 38.4,28.54 38.4,23.254 38.677,22.976 44.109,22.976 45.614,21.47 45.614,19.587 47.002,18.199 v1(50.779,18.199) ; 17.814,112.649 29.972,112.649 34.033,108.588 v1(34.033,105.851) ; v1(34.861,94.108) 36.448,94.108 v1(38.354,92.202) ; v1(55.402,18.199) 55.402,25.261 56.423,26.282 68.479,26.282 72.262,30.065 72.386,30.065 v1(72.488,30.168) ; v1(58.561,102.814) 58.561,102.941 58.292,103.21 58.292,111.669 58.76,112.138 84.684,112.138 v1(84.956,111.867) ; v1(58.744,96.588) 60.758,94.573 60.758,93.316 60.016,92.574 v1(60.016,90.969) ; v1(80.721,27.922) 80.721,28.049 80.956,28.284 80.956,28.431 82.941,30.416 v1(82.941,32.949) ; v1(86.984,30.378) 87.487,30.378 89.034,31.925 M1.P+@94.123,31.925 ; M1.P+@95.123,31.925 M1.P+@94.123,31.925 ; v1(135.005,34.327) 132.073,37.259 132.073,46.914 136.381,51.223 v1(149.093,51.223) ; v1(135.147,21.855) 131.872,21.855 130.946,20.929 95.946,20.929 91.041,25.834 91.041,28.843 M1.P+@94.123,31.925
SW12: R10.1 R21.1 S1.12 U2.8 | length 96.3
  Top Layer w0.4: R21.1@4.191,87.36 4.316,87.36 4.716,87.76 4.716,87.885 5.173,88.342 7.933,88.342 8.752,89.16 v1(8.975,89.16) ; U2.8@11.684,99.949 13.049,98.584 13.049,90.12 12.815,89.886 11.923,89.886 v1(11.801,90.008) ; v1(19.657,107.04) 21.315,107.04 23.495,109.22 28.956,109.22 29.892,108.284 42.193,108.284 44.314,106.162 44.314,99.929 45.339,98.904 45.339,90.413 S1.12@45.212,90.286 ; R10.1@32.661,88.272 35.1,88.272 35.432,88.604 35.432,92.572 v1(38.859,95.999)
  Bottom Layer w0.4: v1(8.975,89.16) 9.823,90.008 v1(11.801,90.008) ; U2.8@11.684,99.949 11.684,101.092 17.756,107.164 19.533,107.164 v1(19.657,107.04) ; v1(38.859,95.999) 40.149,95.999 45.002,91.146 45.002,90.496 S1.12@45.212,90.286
Tx_HV: ARD1.1 S1.6 | length 105.8
  Top Layer w0.4: v1(36.298,95.999) 37.579,97.279 37.579,103.203 39.29,104.915 v1(39.29,105.592) ; v1(43.815,111.379) 44.05,111.379 44.342,111.671 51.189,111.671 53.054,109.807 63.339,109.807 63.798,109.347 v1(64.008,109.347) ; v1(67.31,81.661) v1(67.31,85.598)
  Bottom Layer w0.4: v1(36.298,95.999) 37.708,94.589 38.253,94.589 39.497,93.345 39.497,79.248 37.835,77.586 S1.6@37.592,77.586 ; v1(39.29,105.592) 39.29,106.854 v1(43.815,111.379) ; ARD1.1@63.754,71.755 67.991,71.755 68.225,71.989 68.225,80.706 67.31,81.621 v1(67.31,81.661) ; v1(64.008,109.347) 64.174,109.513 65.21,109.513 65.297,109.601 65.786,109.601 67.31,108.077 v1(67.31,85.598)
Tx_LV: A1.8 S1.3 | length 47.2
  Top Layer w0.4: A1.8@27.94,61.087 27.94,60.96 28.948,59.952 41.168,59.952 41.402,60.186 v1(41.402,65.532) ; S1.3@37.592,85.206 37.73,85.206 38.376,85.852 v1(41.275,85.852) ; v1(38.735,70.612) v1(38.735,73.025)
  Bottom Layer w0.4: v1(38.735,70.612) 38.569,70.446 38.569,70.03 38.481,69.943 38.481,67.183 40.132,65.532 v1(41.402,65.532) ; v1(38.735,73.025) 38.735,75.057 38.322,75.47 38.322,76.295 40.386,78.359 40.386,84.963 v1(41.275,85.852)
pads on no net: A1. A1.11 A1.12 A1.13 A1.15 A1.17 A1.22 A1.26 A1.27 A1.28 A1.32 A1.36 A1.38 A1.40 ARD1.3 ARD1.18 ARD1.28 K1.NO R5.3 U1.5 U1.7

## Polygon pours and split planes (outlines as drawn)
GND on Top Layer "NONET_L-01_P-001" (solid, remove dead copper, pour order 52): 0,113 0,2 153,2 153,113
GND on Top Layer "GND_L01_P024" (solid, remove dead copper, pour order 24): 0.381,2.032
GND on Top Layer "NONET_L01_P016" (solid, remove dead copper, shelved, pour order 16): 0.381,2.286
GND on Bottom Layer "NONET_L-01_P-001" (solid, remove dead copper, pour order 51): 0,2 153,2 153,113 0,113
GND on Bottom Layer "NONET_L-01_P-001" (solid, remove dead copper, pour order 40): 0.175,112.783
GND on Bottom Layer "GND_L02_P036" (solid, remove dead copper, pour order 36): 4.268,114.2
GND on Bottom Layer "GND" (solid, shelved, pour order 10): 2.921,10.276 2.921,3.302 8.128,3.302 8.22,3.302 8.22,4.988 8.22,10.276

## Keep-outs
Keep-Out Layer:
  the board outline again, w0.254

## Other copper
Top Layer:
  pour cut-out: 8.844,111.1 8.844,107.258 12.632,107.258 12.74,107.366 12.74,111.1
  pour cut-out: 148.229,111.729 148.229,107.273 148.252,107.25 152.409,107.25 152.409,111.683 152.386,111.706
  pour cut-out: 146.684,9.473 146.684,5.143 151.162,5.143 151.187,5.168 151.187,9.522
  pour cut-out: 10.242,4.482 10.242,8.183 10.314,8.255 14.278,8.255 14.278,4.482 14.326,4.434
Bottom Layer:
  pour cut-out: 12.74,111.1 12.74,107.366 12.632,107.258 8.844,107.258 8.844,111.1
  pour cut-out: 10.242,8.183 10.242,4.482 10.194,4.434 14.326,4.434 14.326,8.207 14.23,8.303
  pour cut-out: 148.229,111.729 148.229,107.319 148.206,107.296 148.252,107.25 152.409,107.25 152.409,111.683 152.363,111.729
  pour cut-out: 146.684,9.473 146.684,5.143 151.162,5.143 151.187,5.168 151.187,9.522
  pour cut-out: 146.684,8.854
  pour cut-out: 3.67,106.597

## Silkscreen, mask and mechanical layers (free items; w line width, h text height)
Top Overlay:
  circle w0.254: c73.152,35.935 r8.104
  region: 72.644,7.953 72.644,8.509 72.263,8.89 72.263,8.294 72.12,8.152
  region: 71.395,9.504 71.395,8.315 72.084,8.315 72.369,8.03 72.369,8.911 72.369,9.038
  lines w0.254: 0,2 155,2 ; 0,113 155,113 ; 83.769,46.768 83.769,21.568 125.769,21.568 ; 83.772,46.77 125.772,46.77 ; 123.728,44.78 123.745,44.763 ; 123.769,23.49 123.78,23.501 ; 125.764,46.77 125.768,46.766 125.768,21.566 ; 153,2 153,113 ; 71.289,8.294 cw(c71.69,7.447) 72.6,7.672 ccw(c71.225,8.057) 71.289,9.483 71.289,8.294
  text "CAUTION! Check the polarity!" at 107.442,109.474 h3
  text "BUZZER" at 33.401,90.053 h0.89
  text "BATTRY" at 33.655,87.376 h0.89
  text "Tx_LV" at 34.544,85.629 h0.89
  text "Tx_HV" at 35.207,83.434 h0.89
  text "Rx_LV" at 35.183,80.645 h0.89
  text "Tx_LV" at 34.544,76.993 h0.89
  text "D:2024-03-31, T:  22-24-27" at 107.695,64.231 h1.5
  text "Watcher Jet" at 40.452,55.484 h5
  text "monitait.com" at 43.662,52.015 h4
  text "Converter output" at 146.684,48.126 h0.4
  text "Converter input" at 146.62,36.118 h0.4
  text "-" at 18.458,35.045 h0.5
  text "IN C" at 2.294,33.599 h0.8
  text "+" at 18.497,32.519 h0.5
  text "IN C" at 2.481,29.83 h0.8
  text "R5-ADC" at 78.509,26.439 h0.5
  text "IN B" at 2.669,26.192 h0.8
  text "Current to voltage converter module" at 85.912,25.918 h0.5 r90
  text "R8-OCB" at 59.332,23.264 h0.5
  text "IN B" at 2.2,22.029 h0.8
  text "IN A" at 2.406,18.409 h0.8
  text "IN A" at 2.537,14.771 h0.8
  text "R7-OCA" at 65.428,13.993 h0.5
  text "R6-A7" at 78.636,13.866 h0.5
  text "SDA" at 56.82,13.794 h0.8
  text "SCL" at 56.86,11.509 h0.8
  text "12V_IN" at 1.3,10.833 h0.8
  text "Sensitivity Direction" at 68.326,9.946 h0.89
  text "GND" at 57.002,8.739 h0.8
  text "I2C module" at 53.922,7.847 h0.5 r90
  text "GND" at 3.119,6.989 h0.8
  text "3V3_rasp" at 56.901,6.411 h0.6

## Text inside footprints (layer, text, board x,y; h text height)
A1: Bottom Overlay "1" at 22.538,53.124 h1.02 r270
B1: Top Overlay "BATTERY-18650" at 93.726,109.474 h0.9; Top Overlay "+" at 148.942,60.359 h3 r180; Top Overlay "+" at 148.942,79.859 h3 r180; Top Overlay "+" at 148.942,99.359 h3 r180; Top Overlay "-" at 67.942,60.359 h3 r180; Top Overlay "-" at 67.942,79.859 h3 r180; Top Overlay "-" at 67.942,99.359 h3 r180
C20: Top Overlay "+" at 42.678,67.83 h1.5
count_a_ok: Top Overlay "+" at 4.825,69.238 h0.9 r270
count_b_ng: Top Overlay "+" at 4.825,76.238 h0.9 r270
link: Top Overlay "+" at 4.825,46.738 h0.9 r270
LS1: Top Overlay "+" at 29.566,101.888 h1.52
power: Top Overlay "+" at 4.825,39.738 h0.9 r270
warning: Top Overlay "+" at 4.825,62.238 h0.9 r270